# Altium PCB rt10.PcbDoc (part 4 of 4)
Units mil, origin at the board's own origin, x right, y up, seen from the top; angles counter-clockwise.
Board outline 1400 x 1750 mil, 8 copper layers (Top, L2, L3, L4, L5, L6, L7, Bottom), stack 46.851 mil thick; 256 components, 225 nets, 1033 pads, 563 vias.
Unrouted connection lines stored in the file: 9.
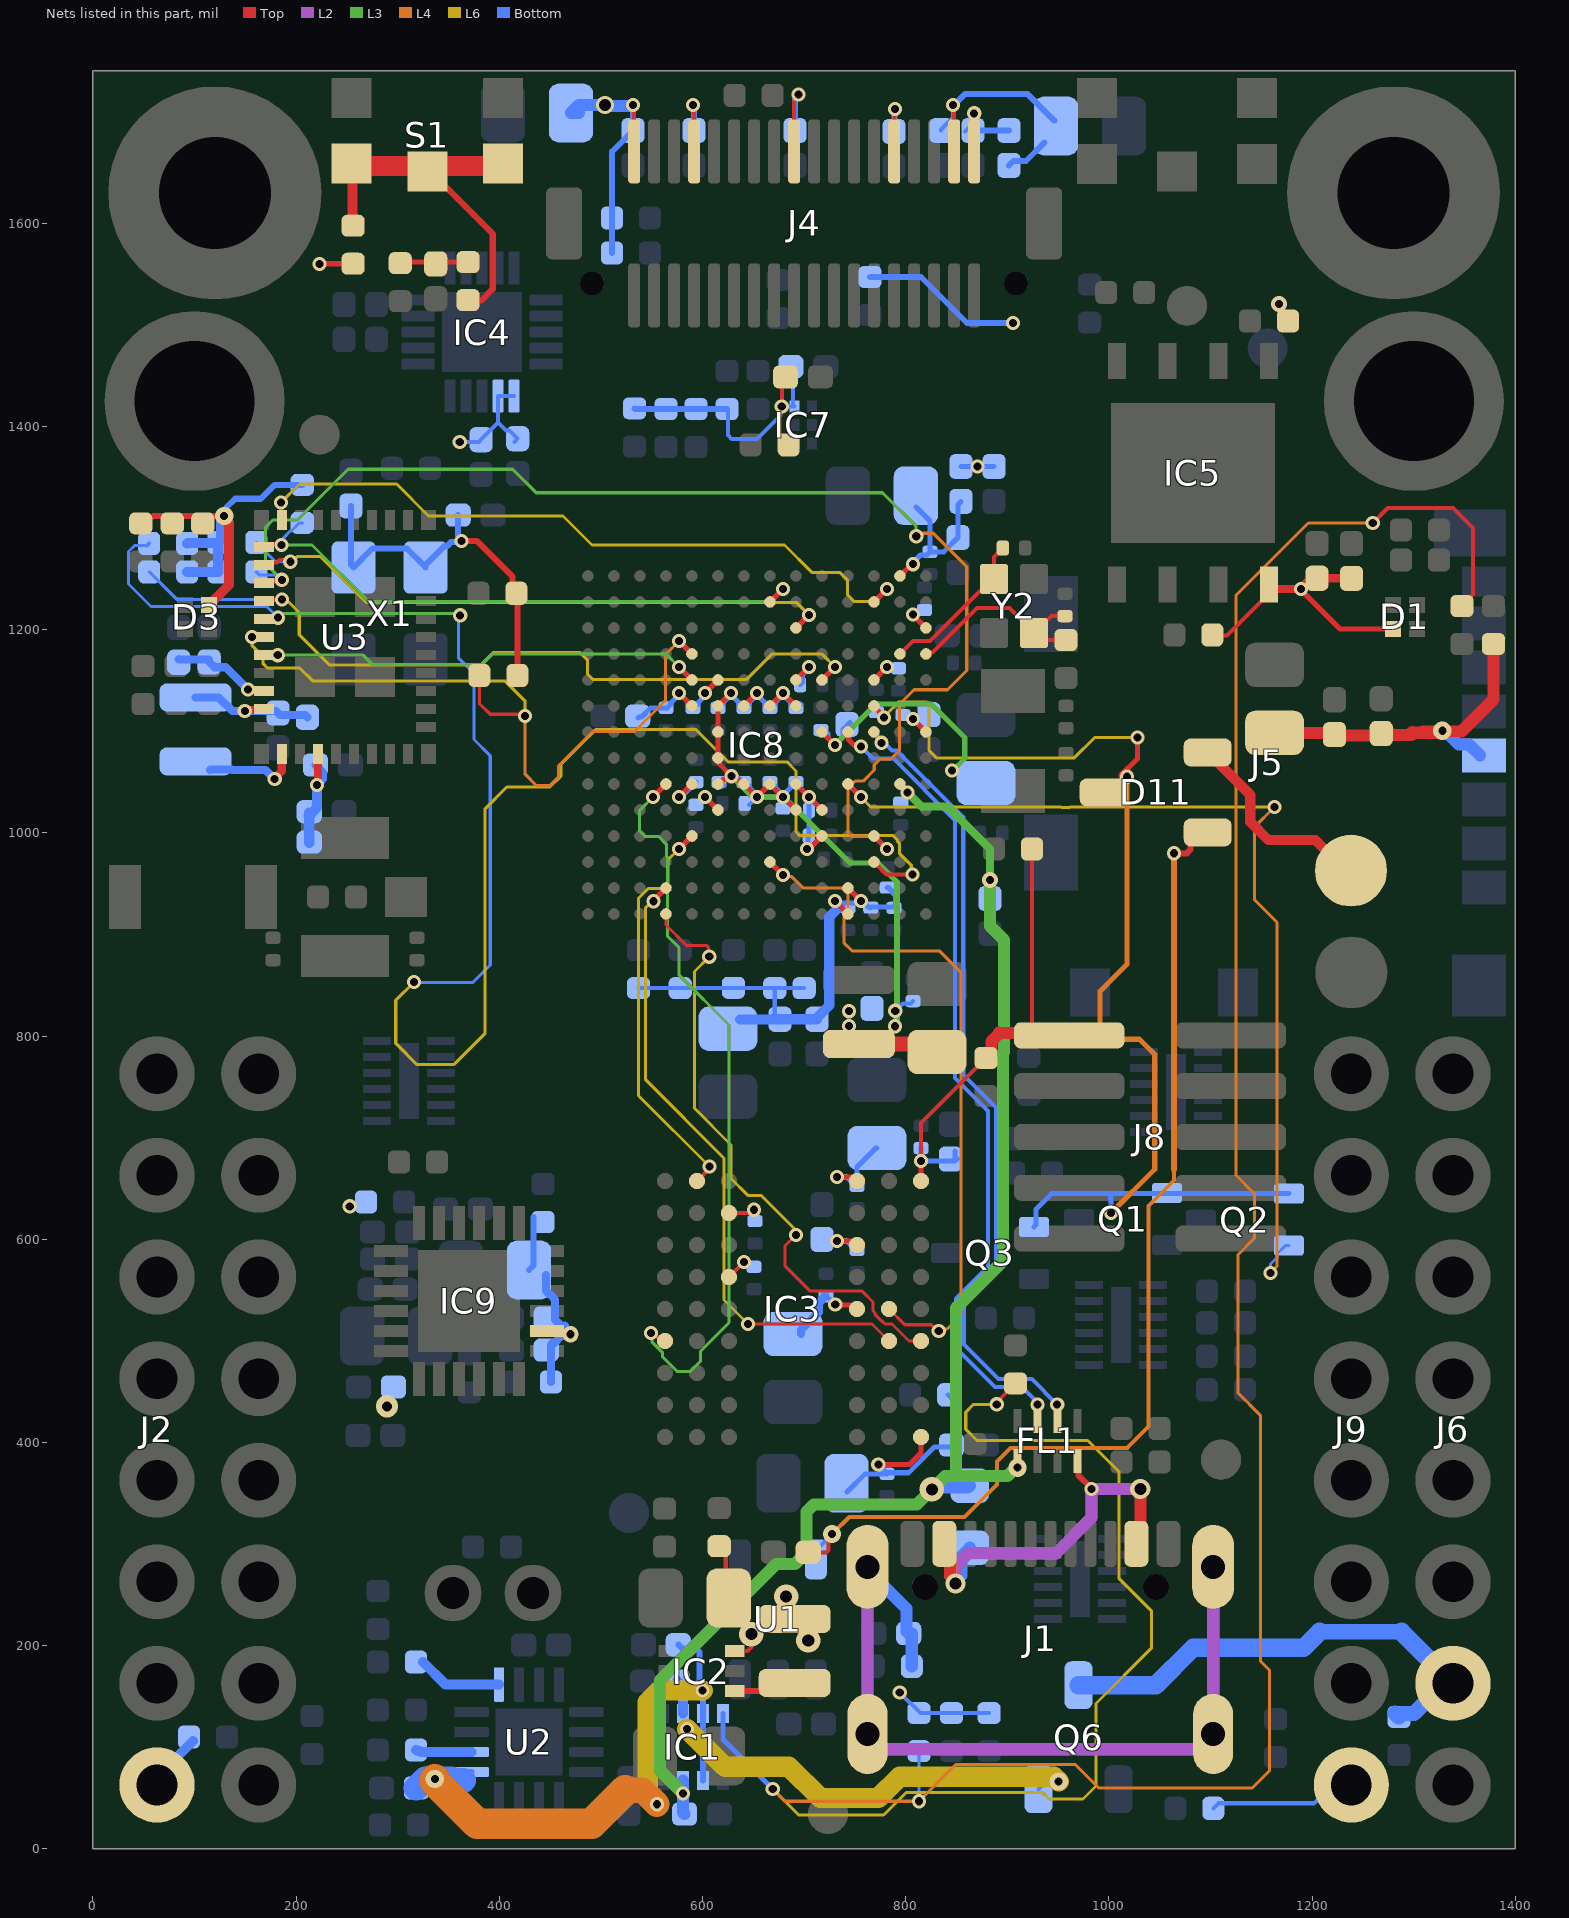
[diagram p10: the nets of this part, all layers, seen from the top]

## Via types
v1: diameter 14, hole 8, Top to Bottom, tented both sides, 524 vias
v2: diameter 18, hole 8, Top to Bottom, tented both sides, 17 vias
v3: diameter 24, hole 12, Top to Bottom, tented both sides, 7 vias
v4: diameter 16, hole 8, Top to Bottom, tented both sides, 6 vias
v5: diameter 18, hole 12, Top to Bottom, tented both sides, 3 vias
v6: diameter 20, hole 12, Top to Bottom, tented both sides, 2 vias
v7: diameter 18, hole 18, Top to Bottom, tented both sides, 2 vias
v8: diameter 16, hole 10, Top to Bottom, tented both sides, 1 vias
v9: diameter 22, hole 10, Top to Bottom, tented both sides, 1 vias

## Nets (pads, with @x,y where several pads share a name; then routed paths per layer and width w, separated by ;. In a path a pad name is that pad's centre, name@x,y a point inside that pad or via, vN(x,y) a via of type N, cw(c..) or ccw(c..) an arc to the next point about the centre after c; other vN are vias at no path point) (continued)
SDRAM_DQ15: IC3.A2 IC8.E4 | length 403.5
  Top w4: IC3.A2@594.49,657.48 594.48,657.59 605.65,668.75 605.65,670.5 v1(606.8,671.65)
  Top w5: v1(576.77,984.25) IC8.E4@589.56,997.04
  L6 w3: v1(576.77,984.25) 565.85,973.33 565.85,950.85 560.34,945.34 546.49,945.34 537,935.86 537,741.45 v1(606.8,671.65)
SDRAM_DQMH: IC3.F1 IC8.D6 | length 727.5
  Top w4: v1(549.21,507.87) 550.74,506.34 553.37,506.34 559.71,500 IC3.F1@563,500
  Top w5: v1(551.18,1035.43) IC8.D6@563.97,1048.22
  L3 w3: v1(549.21,507.87) 550.39,506.7 550.39,498.79 560.73,488.45 560.73,484.27 575,470 588,470 598,480 598,490 626,518 626,811 577,860 577,887 565.32,898.68 565.32,976.31 564.27,977.36 564.27,989 556.52,996.75 543.25,996.75 538.09,1001.91 538.09,1022.34 v1(551.18,1035.43)
SDRAM_DQML: IC3.E8 IC8.H3 | length 690.6
  Top w3: IC3.E8@783.47,531.5 798.97,516 825.15,516 831.33,509.83 v1(832.41,509.83)
  Top w5: IC8.H3@666.35,971.45 v1(679.14,958.66)
  L4 w3: v1(679.14,958.66) 680.81,956.99 687.73,956.99 698.71,946 737,946 743,940 743,921 739,917 739,892 747,884 833,884 854.54,862.46 854.54,525.5 840.77,511.73 834.31,511.73 v1(832.41,509.83)
SDRAM_RAS: IC3.F8 IC8.D2 | length 625.7
  Top w3: v1(644.68,516.73) 766.74,516.73 IC3.F8@783.47,500
  Top w5: v1(551.66,932.84) 551.66,933.55 IC8.D2@563.97,945.86
  L6 w3: v1(551.66,932.84) 550.11,932.84 544,926.73 544,757 621.02,679.98 621.02,540.39 v1(644.68,516.73)
SDRAM_WE: IC3.F9 IC8.D1 | length 605.8
  Top w3: IC8.D1@563.97,920.27 563.97,909.46 584.02,889.41 603.9,889.41 605.66,887.65 605.66,879.21 v1(606.57,878.3) ; v1(691.93,604.33) 681,593.4 681,573.92 705.88,549.04 757.06,549.04 767.72,538.39 767.72,529.48 769.9,527.29 769.9,525.88 776.83,518.95 777.31,518.95 779.53,516.73 786.42,516.73 803.15,500 IC3.F9@814.96,500
  L6 w3: v1(606.57,878.3) 592,863.73 592,729 628.02,692.98 628.02,659.98 644.01,643.99 645,643 658,643 689.82,611.18 689.82,606.44 v1(691.93,604.33)
SHELL_GND: C110.1 J1.SH R41.1 | length 796.1
  L2 w12: J1.SH@762.38,262.68 762.38,98.11 1102.54,98.11 1102.54,110.24 J1.SH@1102.54,274.8
  Bottom w12: J1.SH@762.38,274.8 800.65,236.53 800.65,214.24 C110.1@802.86,212.04 805.89,212.04 R41.1@805.89,179.9
SNVS_BAT: D11.2 TP1.1 | length 205.1
  Top w10: D11.2@1097.18,1079.37 1139,1037.55 1139,1011 1157,993 1203.29,993 1233.29,963 TP1.1@1238.55,963
SR_VLX: L9.1 U3.34 | length 95.5
  Top w8: v1(178.83,1053.12) 178.83,1053.9 185.73,1060.81 185.73,1077.46 U3.34@186.02,1077.75
  Bottom w8: L9.1@115.07,1062 115.58,1062.51 136.61,1062.51 137.12,1062 169.95,1062 v1(178.83,1053.12)
ST: IC1.8 R5.1 R14.1 R71.2 | length 3149.6
  Top w3: v1(889.48,437.65) 889.48,439.78 R71.2@908,458.3
  Top w4: v1(1259.66,1305.17) 1274.37,1319.88 1338.58,1319.88 1358.27,1300.2 1358.27,1234.6 1347.44,1223.77 R5.1@1347.44,1223.43
  L4 w3: v1(669,59) 681,47 v1(813,47) 849,83 967,83 990,60 1141,60 1158,77 1158,176 1149,185 1149,427 1127.14,448.86 1127.14,585.14 1143,601 1143,645 1125,663 1125,1234 1196.17,1305.17 v1(1259.66,1305.17)
  L6 w3: v1(669,59) 694.54,33.46 778.25,33.46 800.29,55.5 934.66,55.5 940.94,49.21 974.41,49.21 987.2,62.01 987.2,143.2 1042,198 1042,234 1010,266 1010,371 979,402 870,402 859,413 859,430 866.65,437.65 v1(889.48,437.65)
  Bottom w3: v1(813,47) R14.1@813,96.3
  Bottom w5: IC1.8@620.08,133.38 620.08,107.92 v1(669,59)
SW: IC2.4 L2.1 | length 67.9
  Top w6: IC2.4@626.07,155.51 682.8,155.51 L2.1@690.68,163.39
SWITCH: R67.1 R68.1 S1.2 S1.3 S1.4 | length 386.6
  Top w6: S1.3@332.32,1650.83 393.46,1589.69 393.46,1535.46 382,1524 369.67,1524 R68.1@369.1,1524.57
  Top w10: R67.1@255.26,1598.44 S1.4@255.26,1656.52
  Top w20: R67.1@255.26,1598.44 R67.1@256,1597.7 ; S1.4@255.26,1656.52 S1.2@412.74,1656.52
SWITCH_OUT: C25.2 R68.2 R69.1 | length 67.1
  Top w5: R69.1@302.41,1560.92 303.46,1561.97 R68.2@369.1,1561.97
TMR: R11.1 U2.14 | length 55.1
  Bottom w10: R11.1@317.91,97.44 323.22,95.47 U2.14@372.63,95.48
TS: R9.1 U2.1 | length 84
  Bottom w10: R9.1@324.8,184.06 347.05,161.81 U2.1@399.6,161.82
USB_D_N: FL1.6 IC8.M8 | length 786.3
  Top w5: IC8.M8@768.7,1099.41 768.7,1097.83 776.2,1090.33 v1(776.2,1088.74)
  Bottom w4: v1(776.2,1088.74) 778.91,1088.74 786.48,1081.17 791.04,1081.17 856.54,1015.67 856.54,762.14 888.91,729.77 888.91,570.01 857.28,538.39 857.28,496.35 891.06,462.57 924,462.57 v1(948.99,437.57)
USB_D_P: FL1.7 IC8.L8 | length 796.1
  Top w5: IC8.L8@743.11,1099.41 743.84,1098.68 743.84,1091.46 748.48,1086.83 754.18,1086.83 v1(755.9,1085.11)
  Bottom w4: v1(755.9,1085.11) 767.84,1073.17 787.72,1073.17 848.54,1012.36 848.54,758.83 880.91,726.46 880.91,573.32 849.28,541.7 849.28,493.04 887.75,454.57 914.26,454.57 929.6,439.24 v1(929.6,437.31)
USB_VBUS: FL1.4 J1.A4_B9 J1.B4_A9 L1.1 | length 413.3
  Top w6: FL1.4@968.39,380.02 969.92,378.48 969.92,368.05 v1@983.14,354.82
  Top w12: J1.A4_B9@837.97,297.44 843.78,291.63 843.78,268.47 848.85,263.4 v6(848.85,261.23) ; J1.B4_A9@1030.89,301.38 v6(1030.89,354.33)
  L2 w12: v6(848.85,261.23) 848.85,278.05 861.8,291 948,291 982.65,325.65 v1(982.65,354.33) 1011.33,354.33 v6(1030.89,354.33)
  Bottom w12: v6(848.85,261.23) 848.85,263.4 854.68,269.23 854.68,288.19 L1.1@863,296.5
V_BATT: C4.2 C9.2 IC1.2 IC1.7 U2.13 | length 630.1
  L4 w25: 524,58 541,58 v1(555,44)
  L4 w30: v2(336.48,68.85) 336.48,66.52 378,25 491,25 524,58
  L6 w20: v1(555,44) 546,53 546,144.28 557.72,156 v1(600,156)
  Bottom w6: U2.13@364.41,75.79 U2.13@372.63,75.79 ; C4.2@576.13,201 579.72,197.41 593.6,197.41 597.12,193.9 597.12,161.05 600,158.16 v1(600,156) ; IC1.2@600.39,67.4 IC1.7@600.39,133.38 v1@600.39,155.51
  Bottom w25: C9.2@318.31,60.04 327.12,68.85 v2(336.48,68.85) 353.21,68.85 354.69,67.36 364.41,67.36
VBUS: C3.2 C88.1 C95.2 FL1.1 IC1.3 IC8.N6 L1.2 | length 1411.3
  Top w5: IC8.N6@794.29,1048.22 794.29,1047.63 801.57,1040.35 v1(801.57,1039.76)
  L3 w8: v1(801.57,1039.76) 815.41,1025.93 841.2,1025.93 882.87,984.25 v4(882.87,953.74)
  L3 w12: v1(580.68,54.6) 558,77.29 558,166 672.51,280.51 690.94,280.51 702.4,291.96 702.4,331.97 709.43,339 810.78,339 v3(825.72,353.94) ; v3@827.41,355.63 838.78,367 849.41,367 ; v4(882.87,953.74) 882.87,908.46 896.65,894.68 896.65,784.45 895.67,783.46 895.67,578.67 849.41,532.41 849.41,367 ; v2(910.05,375.37) 908.43,375.37 900.05,367 849.41,367
  Bottom w12: IC1.3@580.71,67.4 580.71,36.02 C3.2@582.28,34.45 ; v3(825.72,353.94) 827.51,355.73 861.2,355.73 L1.2@863,357.53
VCC: C7.1 C11.2 C12.1 C13.1 C14.1 C15.1 C16.1 C17.2 C18.2 C19.1 C22.1 C23.2 C24.1 C26.1 C27.2 C28.1 C29.1 C30.1 C31.2 C32.1 C33.2 C35.2 C36.1 C37.1 C39.2 C40.2 C41.2 C42.2 C43.1 C44.2 C50.1 C53.1 C54.1 C55.1 C56.1 C57.2 C58.2 C64.1 C66.2 C67.1 C68.2 C75.1 C76.1 C86.2 C89.1 C90.2 C92.2 C93.2 C96.1 C99.2 C108.2 C109.1 C111.1 C112.2 C113.2 D1.4 D3.4 D4.1 D6.1 D10.1 D14.1 IC2.6 IC3.A7 IC3.A9 IC3.B3 IC3.C7 IC3.D3 IC3.E7 IC3.J9 IC4.11 IC4.12 IC5.8 IC7.6 IC8.E6 IC8.E9 IC8.F5 IC8.F10 IC8.J6 IC8.J10 IC8.K4 IC8.K5 IC8.L1 IC8.L2 IC8.P12 IC9.14 J2.1 J4.2 J4.10 J4.20 J4.30 J4.36 J5.P$4 J8.1 J9.1 L2.2 L4.2 L6.2 L8.2 R2.2 R13.1 R14.2 R15.2 R16.2 R17.2 R18.1 R24.2 R29.2 R30.2 R31.2 R32.2 R33.1 R34.2 R36.2 R39.2 R42.2 R43.2 R44.1 R45.1 R46.1 R47.2 R48.2 R49.2 R50.2 R51.2 R52.2 R53.1 R60.1 R61.2 R62.2 R63.2 R64.2 R65.2 R66.2 R67.2 U3.30 U3.36 X1.1 X1.4 | length 5324.2
  Top w4: v1(531.5,1716.54) 532.68,1715.35 J4.36@532.68,1670.87 ; v1(590.55,1716.54) 591.73,1715.35 J4.30@591.73,1670.87 ; R2.2@622.76,299.21 622.76,250 C7.1@625.72,247.05 ; IC3.D3@625.99,563 v1(640.75,577.76) ; IC3.B3@625.99,625.99 644.79,625.99 647.95,629.15 v1(650.66,629.15) ; 643.07,194.89 644.09,194.89 648,198.79 v3(648,211.47) ; C27.2@681.69,1448.82 677.97,1445.1 677.97,1417.09 675.86,1414.97 675.86,1393.34 684.7,1384.5 R53.1@684.7,1382 ; J4.20@690.16,1670.87 690.16,1719.87 694.49,1724.2 v1(694.49,1726.91) ; J4.10@788.58,1670.87 788.98,1671.27 788.98,1712.25 v1(789.38,1712.65) ; v1(814.96,677.17) 814.96,714.56 D10.1@878.94,778.54 ; J4.2@867.32,1670.87 v1(867.3,1708.34) ; R33.1@924.21,984.25 924.21,804.38 J8.1@925.44,803.15 ; R52.2@1098.8,1192.92 1100.07,1194.19 1116.18,1194.19 1150.62,1228.62 1150.82,1228.62 1157.68,1235.48 1157.68,1240.16 IC5.8@1157.68,1244.34
  Top w5: v1@220.17,1560.3 R67.2@256,1560.3 ; v1(576.77,1035.43) IC8.E6@589.56,1048.22 ; v1(576.77,1137.79) IC8.E9@589.56,1125 ; v1(602.36,1035.42) IC8.F5@615.15,1022.63 ; v1(602.36,1137.8) IC8.F10@615.15,1150.59 ; IC8.J6@691.93,1048.22 v1(704.72,1035.43) IC8.K5@717.52,1022.63 ; IC8.J10@691.93,1150.59 v1(704.72,1163.38) ; v1(702.68,984.25) 704.73,984.25 IC8.K4@717.52,997.04 ; v1(730.32,933.07) IC8.L1@743.11,920.27 ; v1(730.51,535.86) 730.94,535.43 745.03,535.43 748.96,531.5 IC3.E7@751.97,531.5 ; v1(732.28,598.43) 748.03,598.43 IC3.C7@751.97,594.49 ; v1(732.28,661.42) 748.03,661.42 IC3.A7@751.97,657.48 ; IC8.L2@743.11,945.86 v1(755.9,933.07) ; v1(772.99,378.42) 803.62,378.42 814.96,389.76 IC3.J9@814.96,405.52 ; v1@803.98,1217.67 IC8.P12@819.88,1201.77 ; IC3.A9@814.96,657.48 v1(814.96,677.17) ; v1(1188.98,1240.16) 1188.98,1239.17 1227.36,1200.79 D1.4@1279.4,1200.79
  Top w6: R46.1@47,1304.7 53.27,1310.97 57.91,1310.97 58.93,1311.99 v2(129.08,1311.99) ; v1(362.84,1287.45) 377.55,1287.45 412.98,1252.02 412.98,1239.72 417.7,1235 R61.2@417.7,1155
  Top w8: v1(152.44,1141.25) 153.18,1140.5 167.57,1140.5 U3.30@168.31,1139.76 ; v1(220.47,1047.24) 221.46,1048.23 U3.36@221.46,1077.75 ; IC9.14@446.85,509.84 448.52,508.17 468.54,508.17 v4(470.07,506.64) ; IC5.8@1157.68,1240.16 v1@1187.99,1240.16 ; R13.1@1176.18,1503.94 R13.1@1183.07,1497.05 ; v1(1188.98,1240.16) v1@1187.99,1240.16 ; C22.1@1204.72,1250.76 C23.2@1227.54,1250.76 ; C22.1@1204.72,1256.89 v1@1187.99,1240.16
  Top w10: D3.4@114.17,1224.41 133.92,1244.16 133.92,1304.99 129.08,1309.82 v2(129.08,1311.99)
  Top w12: D10.1@878.93,775.59 884.24,780.89 884.24,794.9 891.83,802.5 891.83,803.73 892.41,803.15 925.44,803.15 J8.1@958.46,803.15 ; C37.1@1163,1098.54 1220.34,1098.54 C35.2@1222,1096.87 ; C35.2@1217.67,1091.54 1222,1095.87 1266.95,1095.87 C36.1@1268,1096.92 ; C36.1@1268,1097.87 C36.1@1268,1096.92 ; 1298,1097.09 1298,1096.33 1280.75,1096.33 1280.17,1096.92 C36.1@1268,1096.92 ; 1298.73,1099.48 1298,1098.75 1307.74,1098.75 ; v2(1328.13,1100.61) 1326.5,1100.61 v2@1325.9,1100 ; D6.1@1378.35,1185.98 1378.35,1131.35 1347,1100 v2@1325.9,1100 ; 1307.74,1098.75 1308.99,1100 v2@1325.9,1100 ; 1307.74,1098.75 1324.64,1098.75 v2@1325.9,1100
  Bottom w4: v1(360.94,1384.94) 379.82,1384.94 C112.2@382,1387.13 398.75,1403.87 ; IC4.11@414.5,1430.01 IC4.12@398.75,1430.01 398.75,1403.87 ; C111.1@414.82,1384.94 C111.1@418,1388.13 410.03,1396.1 406.52,1396.1 398.75,1403.87 ; R49.2@537,847.3 R51.2@578,847.3 R47.2@671,847.3 ; R29.2@624.02,1417.32 625.16,1416.18 625.16,1391.51 628.67,1388 653.69,1388 676.54,1410.84 676.54,1418.36 v1(677.97,1419.79) 678.02,1419.74 690.3,1419.74 IC7.6@690.36,1419.69 ; C41.2@676.18,816.68 671,821.86 R47.2@671,847.3 ; C26.1@688.8,1448.82 688.8,1421.24 IC7.6@690.05,1420 ; R48.2@700,847.3 R47.2@671,847.3 ; v1(794,154) 814.3,133.7 R43.2@845,133.7 R42.2@882,133.7 ; C33.2@858.27,1690.36 866.72,1698.81 866.72,1707.76 v1(867.3,1708.34) ; D14.1@1102.7,40 1107.7,45 1201.84,45 1219.56,62.72 J9.1@1238.51,62.72
  Bottom w5: C67.1@536.42,1113.19 537.4,1114.17 539.95,1114.17 548.99,1123.2 C86.2@563.98,1123.2 565.21,1123.2 568.67,1126.67 568.67,1127.9 575.81,1135.04 575.81,1136.83 v1(576.77,1137.79) ; v1(576.77,1035.43) 577.73,1036.39 579.87,1036.39 588.81,1045.33 588.81,1046.56 592.27,1050.02 C53.1@593.5,1050.02 ; C68.2@590.55,1123.2 591.78,1123.2 595.24,1126.67 595.24,1127.9 601.4,1134.06 601.4,1136.84 v1(602.36,1137.8) ; C66.2@696,1146 698.4,1148.4 698.4,1155.95 704.72,1162.27 v1(704.72,1163.38) ; v1(702.68,984.25) 703.62,985.18 703.62,995.93 704.73,997.05 v1(704.72,1035.43) ; C11.2@724.86,541.51 v1(730.51,535.86) ; v1@731.95,931.01 759.34,931.01 763.82,926.53 C55.1@765.59,926.53 766.41,927.34 790.35,927.34 790.1,927.6 790.1,937.91 786.43,941.57 786.43,942.8 782.97,946.27 R32.2@781.74,946.27 ; v1(732.28,598.43) 742.13,598.43 751.39,589.16 C19.1@751.97,588.58 ; v1(732.28,661.42) 742.13,661.42 748.51,655.03 751.39,652.15 C13.1@751.97,651.57 ; C29.1@742.13,351.38 760.02,369.27 C31.2@781.5,369.27 ; C13.1@751.97,652.73 751.97,671.17 770.76,689.96 C18.2@771.65,689.96 ; v1(755.9,933.07) 756.86,934.03 v1@756.86,936.82 ; v1(772.99,378.42) 781.65,369.76 782.22,370.33 802.84,370.33 828.11,395.59 845,395.59 C30.1@845.08,395.67 ; C15.1@814.96,690.94 C15.1@814.96,689.79 v1(814.96,677.17) C17.2@847.44,677.17 ; R18.1@841.7,447 846.46,442.24 C30.1@846.46,397.05 ; C17.2@848.42,677.16 C17.2@848.42,679.14 ; C17.2@848.42,687.01 C17.2@848.42,679.14 ; C17.2@851.37,679.14 C17.2@848.42,679.14 ; L6.2@854.33,1360.63 v1(870.57,1360.63) C108.2@886.81,1360.63
  Bottom w6: v2(129.08,1311.99) 131.38,1314.29 131.38,1320.38 140,1329 165,1329 178.7,1342.7 R62.2@206,1342.7 ; C113.2@254,1321.87 254,1263.84 X1.4@256.57,1261.28 256.57,1261.53 275.04,1280 308.96,1280 327.43,1261.53 X1.1@327.43,1261.28 327.43,1263.91 345.9,1282.38 348.53,1282.38 352.6,1286.44 v1@359.44,1286.44 ; C24.1@359.44,1312.84 359.44,1293.02 361.31,1291.15 361.31,1288.29 360.47,1287.45 v1(362.84,1287.45) ; C96.1@429.13,569.88 433.71,574.46 R36.2@433.71,621.8 ; R30.2@510.83,1570.87 R31.2@510.83,1605.32 510.83,1670.67 C44.2@531.5,1691.34 531.5,1715.39 v1(531.5,1716.54) ; R15.2@533.09,1417.9 533.66,1417.32 R17.2@563.98,1417.32 R16.2@593.5,1417.32 R29.2@624.02,1417.32 ; v1(590.55,1716.54) 590.55,1715.19 591.54,1714.2 C42.2@591.54,1691.34 ; C40.2@690.94,1691.34 690.94,1721.2 694.49,1724.74 v1(694.49,1726.91) ; R24.2@764.76,1547.24 814.96,1547.24 860.23,1501.97 v1(905.51,1501.97) ; C39.2@788.39,1690.35 788.88,1690.85 788.88,1712.15 v1(789.38,1712.65) ; C33.2@866.14,1691.34 L4.2@901.57,1691.34
  Bottom w8: C75.1@84.39,1171 84.73,1170.67 C92.2@113.99,1170.67 ; C92.2@114.39,1168.33 119.54,1163.18 130.5,1163.18 v1(152.44,1141.25) ; C76.1@219.09,1066.93 226.38,1059.64 226.38,1053.15 v1(220.47,1047.24) ; C96.1@445.87,564.96 445.87,549.21 449.5,545.59 450.21,545.59 454.9,540.9 454.9,521.14 460.67,515.37 464.29,515.37 464.29,513.24 v4@466.85,510.68 ; R39.2@450.79,459.65 450.79,496.65 451.85,497.72 453.88,497.72 461.28,505.11 468.54,505.11 v4(470.07,506.64) ; C14.1@696.85,507.07 696.85,510.83 714.7,528.69 714.7,537.43 717.96,540.68 717.96,542.12 719.96,544.12 C11.2@721.13,544.12
  Bottom w10: J2.1@62.99,62.99 62.99,70.87 D4.1@98.43,106.3 ; R66.2@92.7,1257 R63.2@123.3,1257 R65.2@123.3,1286 ; R64.2@92.7,1285 93.2,1285.5 122.8,1285.5 R65.2@123.3,1286 ; v2(129.08,1311.99) 129.08,1309.82 126.13,1306.88 126.13,1288.83 R65.2@123.3,1286 ; C64.1@212.2,1016.73 212.68,1016.73 C64.1@212.87,1016.92 ; C93.2@212.87,990 C64.1@212.87,1016.92 ; C64.1@212.87,1020 C64.1@212.87,1016.92 ; v1(220.47,1047.24) 220.47,1025 219.03,1023.56 219.03,1023.08 C64.1@212.87,1016.92 ; C58.2@636.81,816.28 669.29,816.28 668.9,816.68 C41.2@676.18,816.68 C57.2@712.6,816.68 712.6,818.17 724.7,830.27 724.7,917.24 735.05,927.59
  Bottom w12: C32.1@470.47,1708.66 C32.1@478.35,1716.54 ; C32.1@478.35,1708.66 472.44,1708.66 480.32,1716.54 v5@503.32,1716.54 ; v5(503.94,1716.54) v5@503.32,1716.54 ; v1@531.5,1715.39 504.47,1715.39 v5@503.32,1716.54 ; v2(1328.13,1100.61) 1329.27,1099.46 1331.98,1099.46 1344.24,1087.19 1354.43,1087.19 J5.P$4@1365.16,1076.46
  other v1: 252.75,632.52 807,1215 223,1560
  other v3: 703.99,205.25 682.17,248.55
  other v4: 1167.32,1520.67
  other v9: 289.34,435.64
VCC_SOC: C34.1 C38.1 C45.1 C46.2 C47.1 C48.1 C49.2 C87.2 C94.2 C97.2 C98.2 C100.2 C103.2 IC8.F6 IC8.F7 IC8.F8 IC8.F9 IC8.G6 IC8.G9 IC8.H6 IC8.H9 IC8.J5 IC8.J9 L5.1 | length 961.9
  Top w5: IC8.F6@615.15,1048.22 616.85,1048.22 622.83,1054.2 626.81,1054.2 v1(628.53,1055.93) ; v1(627.94,1137.79) IC8.F9@615.15,1125 IC8.F8@615.15,1099.41 IC8.F7@615.15,1073.81 616.38,1072.58 616.38,1068.08 v1(628.53,1055.93) ; IC8.G9@640.75,1125 v1(653.54,1137.79) ; IC8.H9@666.35,1125 v1(679.14,1137.79) IC8.J9@691.93,1125 ; IC8.J5@691.93,1022.63 v1(679.14,1035.42) IC8.H6@666.34,1048.22 v1(653.55,1035.42) 640.75,1048.22 639,1048.22 633.02,1054.2 630.25,1054.2 v1(628.53,1055.93)
  Top w10: C49.2@842.52,792.32 C49.2@850.39,784.45
  Top w15: L5.1@775.59,792.32 C49.2@842.52,792.32
  L3 w5: v1(628.53,1055.93) 649.04,1035.42 v1(679.14,1035.42) 680.13,1035.42 745.08,970.47 772.64,970.47
  L3 w6: 772.64,970.47 791.34,951.77 791.34,817.34 790.93,816.93 790.93,811.35 v1(789.4,809.82)
  Bottom w4: C48.1@645.88,1027.75 v1(653.55,1035.42) ; v1(789.66,824.96) 797.07,832.37 804.99,832.37 C47.1@807.09,834.47
  Bottom w5: C98.2@615.16,1123.2 616.39,1123.2 619.85,1126.67 619.85,1127.9 626.98,1135.03 626.98,1136.83 v1(627.94,1137.79) 628.9,1136.83 628.9,1135.06 636.06,1127.9 636.06,1126.67 639.52,1123.2 C103.2@640.75,1123.2 641.98,1123.2 645.44,1126.67 645.44,1127.9 652.58,1135.04 652.58,1136.83 v1(653.54,1137.79) 654.5,1136.83 654.5,1135.05 661.65,1127.9 661.65,1126.67 665.11,1123.2 C38.1@666.34,1123.2 667.57,1123.2 671.03,1126.67 671.03,1127.9 678.18,1135.05 678.18,1136.83 v1(679.14,1137.79) 680.1,1136.83 680.1,1135.04 687.24,1127.9 687.24,1126.67 690.7,1123.2 C45.1@691.93,1123.2 693.16,1123.2 C45.1@696.62,1126.67 ; C97.2@616.14,1050.02 C97.2@617.37,1050.02 ; C97.2@620.83,1046.56 C97.2@617.37,1050.02 ; C87.2@666.34,1050.02 667.57,1050.02 671.03,1046.56 671.03,1045.33 678.18,1038.18 678.18,1036.38 v1(679.14,1035.42) ; C100.2@691.93,1050.02 690.7,1050.02 687.24,1046.56 687.24,1045.33 680.1,1038.19 680.1,1036.38 v1(679.14,1035.42) ; C97.2@617.37,1050.02 620.56,1053.21 623.38,1053.21 626.09,1055.93 v1(628.53,1055.93) 630.25,1054.2 635.34,1054.2 639.52,1050.02 C94.2@640.75,1050.02 641.98,1050.02 645.44,1046.56 645.44,1045.33 652.59,1038.18 652.59,1036.38 v1(653.55,1035.42) v1(679.14,1035.42)
  other v1: 743.98,809.91 744.06,824.61
VDD_HIGH_CAP: C101.2 C102.1 IC8.P8 | length 18.1
  Top w5: v1(807.09,1112.2) IC8.P8@819.88,1099.41
VDD_SNVS: C2.2 D11.1 U1.5 | length 1058.5
  Top w4: C2.2@704,292 721.78,292 724.12,294.34 724.12,302.88 727.46,306.21 v2(727.46,310)
  Top w6: v1(1064,980) 1076.55,980 1080.13,983.58 1080.13,990.15 1090.62,1000.63 D11.1@1097.18,1000.63
  L4 w4: v2(727.46,310) 744.35,326.9 857.9,326.9 889.59,358.59 889.59,381.41 903.05,394.87 1017.95,394.87 1039,415.92 1039,633 1064,658 1064,669
  L4 w6: 1064,669 v1(1064,980)
  Bottom w4: U1.5@711.4,285.06 711.4,293.93 v2(727.46,310)
VDD_SNVS_CAP: C70.1 IC8.M10 | length 18.1
  Top w5: IC8.M10@768.7,1150.59 v1(781.49,1163.38)
VDD_SNVS_CPU: C69.1 D11.3 IC8.M9 Q1.1 Q2.1 Q3.1 | length 1189.2
  Top w5: IC8.M9@768.7,1125 768.7,1124.3 778.64,1114.36 v1(778.64,1113.5) ; D11.3@994.82,1040 1000.86,1040 1011.81,1050.95 1011.81,1056.99 1028,1073.18 v1(1028,1094)
  L4 w5: v1(1002,626) 1045,669 1045,782 1030,797 1002,797 991,808 991,844 1017.75,870.75 v1(1017.75,1055.33)
  L6 w3: v1(778.64,1113.5) 778.64,1114.44 793.2,1129 818,1129 823,1124 823,1081 830.06,1073.94 965.94,1073.94 986,1094 v1(1028,1094)
  Bottom w5: Q3.1@926.18,612.2 928,614.02 928,629.39 943.61,645 1001.75,645 ; 1001.75,645.18 1001.75,645 ; v1(1002,626) 1002,638.28 1001.75,638.53 1001.75,645 ; Q2.1@1177,645 1001.75,645
VDD_USB_CAP: C71.1 C72.2 C73.2 IC8.K8 | length 262.8